# Altium PCB PCB2.PcbDoc (part 3 of 3) (continued)
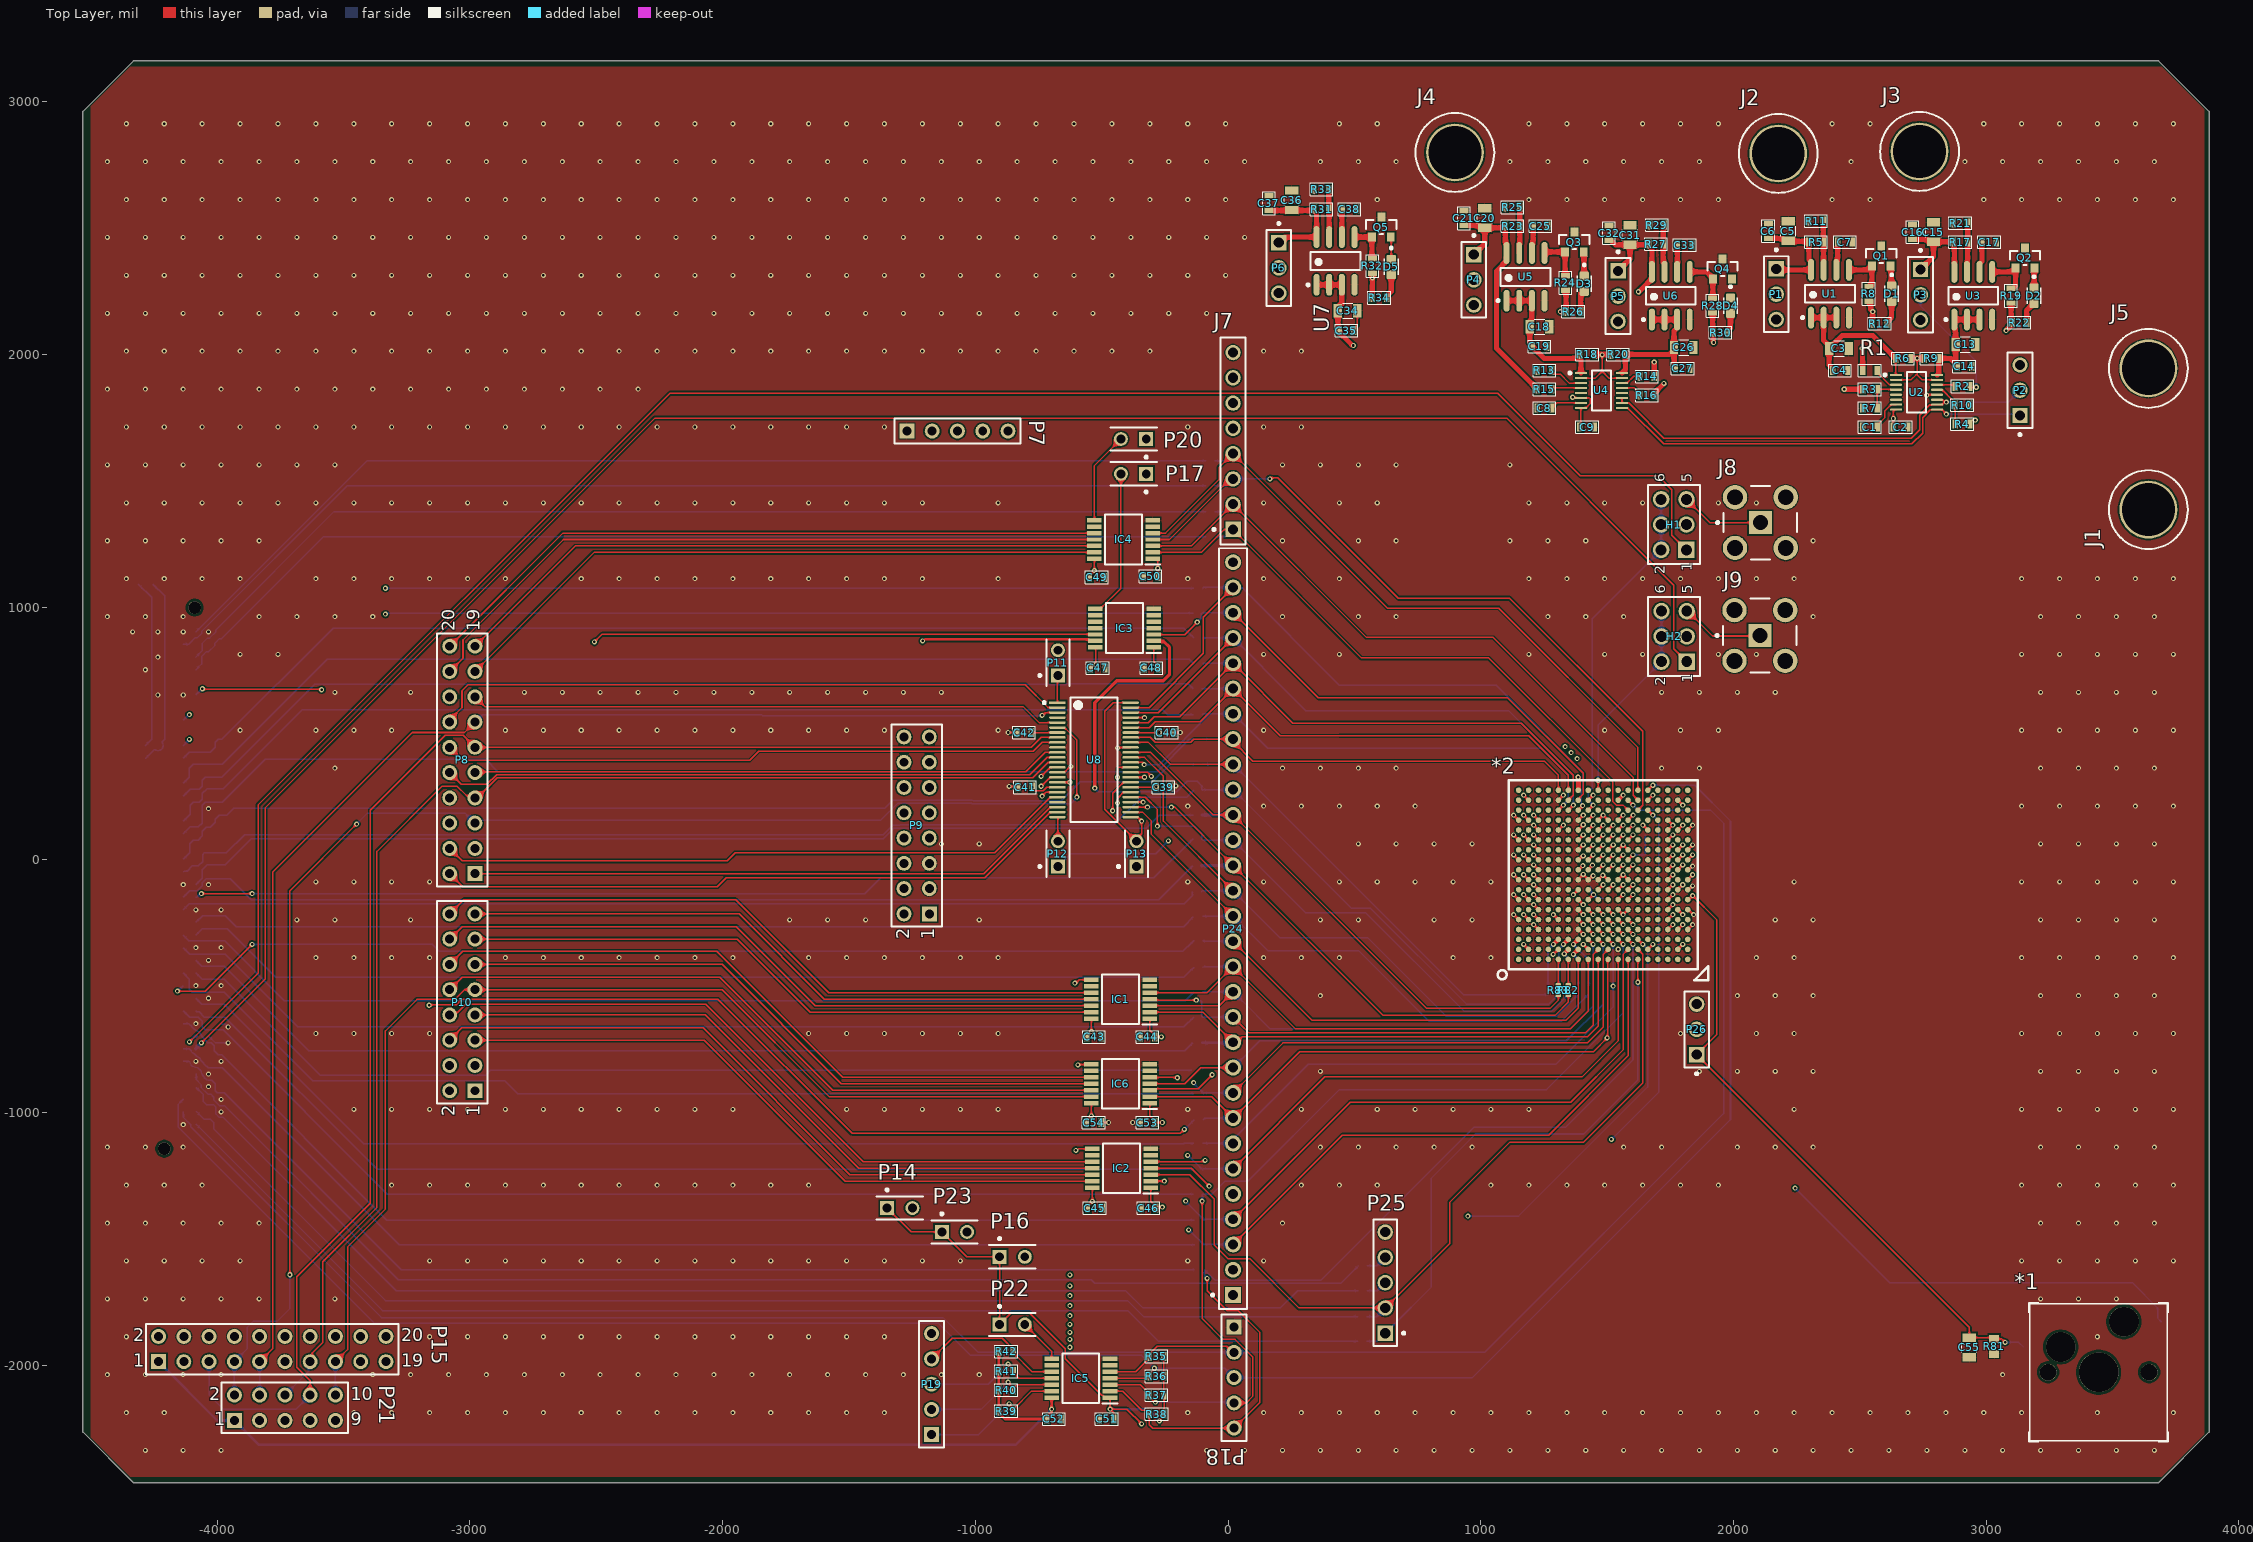
[diagram p0: Top Layer view]
## Nets (pads, with @x,y where several pads share a name; then routed paths per layer and width w, separated by ;. In a path a pad name is that pad's centre, name@x,y a point inside that pad or via, vN(x,y) a via of type N, cw(c..) or ccw(c..) an arc to the next point about the centre after c; other vN are vias at no path point) (continued)
NetQ1_1: Q1.1 R8.2 U1.5 | length 186.5
  Top Layer w20: U1.5@2456.89,2334.65 2533.46,2334.65 Q1.1@2547.24,2348.43 ; R8.2@2535.43,2268.9 2542.32,2268.9 2547.24,2273.82 Q1.1@2547.24,2348.43 ; Q1.1@2547.24,2350.39 Q1.1@2547.24,2348.43
NetQ2_1: Q2.1 R19.2 U3.5 | length 190.9
  Top Layer w20: U3.5@3023.82,2326.77 3102.36,2326.77 Q2.1@3116.14,2340.55 ; R19.2@3098.43,2261.02 3105.31,2261.02 3116.14,2271.85 Q2.1@3116.14,2340.55 ; Q2.1@3116.14,2342.52 Q2.1@3116.14,2340.55
NetQ3_1: Q3.1 R24.2 U5.5 | length 177.7
  Top Layer w20: U5.5@1252.17,2401.58 1252.17,2403.84 1253.84,2405.51 Q3.1@1332.68,2405.51 1333.66,2404.53 1333.66,2313.03 1334.49,2312.2 R24.2@1334.65,2312.2
NetQ4_1: Q4.1 R28.2 U6.5 | length 183.4
  Top Layer w20: U6.5@1826.97,2326.77 1893.7,2326.77 1919.29,2301.18 Q4.1@1919.29,2299.21 1918.31,2298.23 1918.31,2222.48 1917.48,2221.65 R28.2@1917.32,2221.65
NetQ5_1: Q5.1 R32.2 U7.5 | length 154.9
  Top Layer w6: R32.2@568.9,2381.1 R32.2@570.87,2379.13
  Top Layer w20: U7.5@500.2,2464.57 Q5.1@568.9,2464.57 R32.2@568.9,2381.1
NetR1_2: R1.2 U2.3 | length 102.9
  Top Layer w6: R1.2@2568.11,1937.01 2568.11,1930.12 2617.85,1880.37 2642.86,1880.37 U2.3@2643.31,1879.92
NetR2_2: R2.2 U2.14 | length 74.9
  Top Layer w6: U2.14@2805.51,1879.92 2872.05,1879.92 R2.2@2877.95,1874.02
NetR3_2: R3.2 R7.1 U2.4 | length 150.8
  Top Layer w6: R7.1@2568.11,1787.4 R3.2@2568.11,1862.2 2620.47,1862.2 2622.44,1860.24 U2.4@2643.31,1860.24
NetR4_2: R4.2 R10.1 U2.13 | length 177.2
  Top Layer w6: U2.13@2805.51,1860.24 2825.74,1860.24 2868.94,1817.03 2868.94,1807.04 R10.1@2876.77,1799.21 R4.2@2876.77,1724.41
NetR5_1: R5.1 R11.2 U1.7 | length 193.5
  Top Layer w20: R11.2@2355.51,2527.56 R5.1@2355.51,2444.88 2356.2,2444.19 2356.2,2335.33 U1.7@2356.89,2334.65
NetR13_2: R13.2 U4.3 | length 140.5
  Top Layer w6: R13.2@1280.71,1937.01 1280.71,1930.12 1288.54,1922.29 1314.13,1922.29 1349.5,1886.93 U4.3@1396.42,1886.93
NetR14_2: R14.2 U4.14 | length 81.1
  Top Layer w6: U4.14@1558.62,1886.93 1578.85,1886.93 1605.31,1913.39 R14.2@1628.74,1913.39
NetR15_2: R15.2 U4.4 | length 117.8
  Top Layer w6: R15.2@1280.71,1862.2 1285.75,1867.24 U4.4@1396.42,1867.24
NetR16_2: R16.2 U4.13 | length 86
  Top Layer w6: U4.13@1558.62,1867.24 1606.97,1867.24 1628.74,1845.47 R16.2@1628.74,1838.58
NetR17_1: R17.1 R21.2 U3.7 | length 194
  Top Layer w20: U3.7@2923.82,2326.77 2923.82,2359.25 2926.38,2361.81 R17.1@2926.38,2444.88 R21.2@2926.38,2519.69
NetR23_1: R23.1 R25.2 U5.7 | length 182.2
  Top Layer w20: U5.7@1152.17,2401.58 1152.17,2434.05 1154.72,2436.61 R23.1@1154.72,2507.87 R25.2@1154.72,2582.68
NetR27_1: R27.1 R29.2 U6.7 | length 188.9
  Top Layer w20: R29.2@1725.59,2511.81 1725.59,2504.92 1721.65,2500.98 R27.1@1721.65,2437.01 1721.65,2364.56 1726.97,2359.25 U6.7@1726.97,2326.77
NetR31_1: R31.1 R33.2 U7.7 | length 185
  Top Layer w20: R33.2@398.82,2649.61 399.38,2574.8 U7.7@400.2,2464.57
Reg_1V8: C15.2 C16.2 P3.1 R1.1 R17.2 U3.8 | length 902.6
  Top Layer w20: v2(2509.25,2023.62) 2510.63,2022.24 R1.1@2510.63,1937.01 ; C16.2@2708.66,2455.51 2771.65,2455.51 2781.5,2445.67 C15.2@2791.34,2445.67 ; P3.1@2740.16,2336.22 2791.34,2387.4 C15.2@2791.34,2445.67 ; U3.8@2873.82,2326.77 2873.82,2433.07 2861.22,2445.67 C15.2@2791.34,2445.67
  Power w20: v2@2511.29,2027.04 2677.17,2192.91 2677.17,2273.23 2719.65,2315.71 P3.1@2740.16,2336.22
Reg_1V8_IO: C36.2 C37.2 P6.1 R31.2 U7.8 | length 444.1
  Top Layer w6: P6.1@200.79,2442.52 P6.1@222.83,2464.57
  Top Layer w10: R31.2@336.22,2569.68 350.39,2555.51
  Top Layer w20: C37.2@161.42,2569.68 R31.2@336.22,2569.68 ; P6.1@222.83,2464.57 U7.8@350.2,2464.57 ; U7.8@350.39,2464.76 350.39,2555.51
Reg_3V3: C5.2 C6.2 P1.1 R3.1 R5.2 U1.8 | length 1198.5
  Top Layer w20: C6.2@2137.8,2459.45 2196.85,2459.45 2206.69,2449.61 C5.2@2216.54,2449.61 2218.9,2447.24 2297.2,2447.24 2298.03,2446.42 R5.2@2298.03,2444.88 2298.03,2375.98 2306.89,2367.12 U1.8@2306.89,2334.65 2173.23,2334.65 P1.1@2169.29,2338.58 ; v2(2438.39,1862.2) R3.1@2510.63,1862.2
  Power w20: P1.1@2169.29,2338.58 2098.43,2267.72 2098.43,2098.43 2334.65,1862.2 v2@2437.01,1862.2
Reg_V8_Core: C20.2 C21.2 P4.1 R15.1 R23.2 U5.8 | length 1025.7
  Top Layer w6: U5.8@1102.17,2370.08 U5.8@1102.17,2401.58 ; R15.1@1223.23,1862.2 R15.1@1223.23,1863.39
  Top Layer w20: C21.2@933.07,2510.63 996.06,2510.63 1005.91,2500.79 C20.2@1015.75,2500.79 ; P4.1@972.44,2395.28 1015.75,2438.58 C20.2@1015.75,2500.79 ; R23.2@1097.24,2507.87 R23.2@1097.24,2501.61 ; U5.8@1102.17,2370.08 1062.99,2330.91 1062.99,2023.62 1216.69,1869.92 1222.4,1869.92 1223.23,1869.09 R15.1@1223.23,1863.39 ; U5.8@1102.17,2401.58 1102.17,2434.05 1097.24,2438.97 R23.2@1097.24,2501.61 ; C20.2@1015.75,2500.79 1096.42,2500.79 R23.2@1097.24,2501.61
Reg_V8_DCO: C31.2 C32.2 P5.1 R16.1 R27.2 U6.8 | length 965.2
  Top Layer w6: U6.8@1676.97,2299.02 U6.8@1676.97,2326.77 ; R16.1@1686.22,1838.58 R16.1@1686.22,1845.47 ; v2@1724.41,1883.66 v2(1724.41,1885.83)
  Top Layer w20: C32.2@1507.87,2451.57 1508.7,2450.75 1515.59,2450.75 1532.48,2433.86 C31.2@1590.55,2433.86 ; P5.1@1543.31,2330.71 1590.55,2377.95 C31.2@1590.55,2433.86 ; v2@1625.98,2248.03 U6.8@1676.97,2299.02 ; U6.8@1676.97,2326.77 1676.97,2417.32 1664.17,2430.12 1664.17,2433.03 1663.35,2433.86 C31.2@1590.55,2433.86 ; R16.1@1686.22,1845.47 v2@1724.41,1883.66
  Misc w20: v2(1623.43,2248.03) 1623.43,2069.49 1724.41,1968.5 v2(1724.41,1885.83)
SPI_0_CS: *2.279 IC6.4 P24.10 R55.1 | length 2312.4
  Top Layer w5: IC6.4@-309.53,-885.83 -171.51,-885.83 -107.73,-822.05 P24.10@19.68,-822.05
  Top Layer w6: *2.279@1464.57,-314.96 v2(1484.25,-334.65)
  Bottom Layer w5: R55.1@-102.36,-826.77 -97.64,-822.05 P24.10@19.68,-822.05 125.2,-716.54 1338.77,-716.54 1484.25,-571.06 1484.25,-452.76
  Bottom Layer w6: 1484.25,-452.76 v2(1484.25,-334.65)
SPI_0_CS_3V3: IC6.11 P10.11 | length 2635
  Top Layer w5: P10.11@-2980.32,-413.72 -2002.6,-413.72 -1530.49,-885.83 IC6.11@-540.87,-885.83
SPI_0_DQ_0_3V3: IC1.13 P10.13 | length 2559
  Top Layer w5: P10.13@-2980.32,-313.72 -1942.18,-313.72 -1653.54,-602.36 IC1.13@-540.87,-602.36
SPI_0_DQ_0_DUT: *2.315 IC1.2 P24.11 R56.1 | length 2233.9
  Top Layer w6: IC1.2@-309.53,-602.36 -100,-602.36 P24.11@19.68,-722.05 33.83,-722.05 55.39,-700.48 1421.56,-700.48 1464.57,-657.48 *2.315@1464.57,-393.7
  Bottom Layer w10: R56.1@-102.36,-724.41 P24.11@17.32,-724.41
SPI_0_DQ_1_3V3: IC1.12 P10.14 | length 2689.8
  Top Layer w5: P10.14@-3080.32,-313.72 -3030.37,-263.78 -1946.67,-263.78 -1633.67,-576.77 IC1.12@-540.87,-576.77
SPI_0_DQ_1_DUT: *2.278 IC1.3 P24.13 R58.1 | length 2268.2
  Top Layer w5: IC1.3@-309.53,-576.77 -35.04,-576.77 P24.13@19.68,-522.05
  Top Layer w6: *2.278@1425.2,-314.96 v2(1444.88,-334.65)
  Bottom Layer w5: R58.1@-100.39,-523.62 -98.82,-522.05 P24.13@19.68,-522.05 56.69,-559.06
  Bottom Layer w6: 56.69,-559.06 166.93,-669.29 1354.33,-669.29 1444.88,-578.74 v2(1444.88,-334.65)
SPI_0_DQ_2_3V3: IC1.11 P10.15 | length 2579.2
  Top Layer w5: P10.15@-2980.32,-213.72 -1935.27,-213.72 -1597.82,-551.18 IC1.11@-540.87,-551.18
SPI_0_DQ_2_DUT: *2.297 IC1.4 P24.12 R57.1 | length 2162.9
  Top Layer w5: IC1.4@-309.53,-551.18 -305.59,-555.12 v2(-125.98,-555.12) ; P24.12@19.68,-622.05 50,-652.36
  Top Layer w6: 50,-652.36 82.68,-685.04 1413.39,-685.04 1444.88,-653.54 1444.88,-374.02 *2.297@1464.57,-354.33
  Bottom Layer w5: v2(-125.98,-555.12) -123.11,-557.99 -108.71,-557.99 -104.33,-562.37 -104.33,-618.11 -100.39,-622.05 P24.12@19.68,-622.05
SPI_0_DQ_3_3V3: IC1.10 P10.16 | length 2715.2
  Top Layer w5: P10.16@-3080.32,-213.72 -3024.07,-157.48 -1948.82,-157.48 -1580.71,-525.59 IC1.10@-540.87,-525.59
SPI_0_DQ_3_DUT: *2.314 IC1.5 P24.14 R59.1 | length 2235.5
  Top Layer w6: IC1.5@-309.53,-525.59 -83.86,-525.59 P24.14@19.68,-422.05 266.93,-669.29 1354.33,-669.29 1425.2,-598.42 *2.314@1425.2,-393.7
  Bottom Layer w5: R59.1@-100.39,-425.2 -97.24,-422.05 P24.14@19.68,-422.05
SPI_0_SCK: *2.313 IC6.3 P24.15 R53.1 | length 2666.8
  Top Layer w5: IC6.3@-309.53,-911.42 -303.17,-905.06 -117.66,-905.06 v2(-62.99,-850.39)
  Top Layer w6: P24.15@19.68,-322.05 331.5,-633.86 1338.58,-633.86 1385.83,-586.61 *2.313@1385.83,-393.7
  Misc w5: v2(-62.99,-850.39) -62.99,-629.47 -66.93,-625.53 -66.93,-408.66 P24.15@19.68,-322.05
  Bottom Layer w5: R53.1@-100.39,-318.9 -97.24,-322.05 P24.15@19.68,-322.05
SPI_0_SCK__3V3: IC6.12 P10.10 | length 2744.9
  Top Layer w5: P10.10@-3080.32,-513.72 -3031.16,-464.57 -2011.02,-464.57 -1564.17,-911.42 IC6.12@-540.87,-911.42
SPI_1_CS: *2.31 IC4.3 J7.2 R78.1 | length 2600
  Top Layer w6: IC4.3@-297.72,1242.13 -145.67,1242.13 J7.2@19.68,1407.48 547.22,879.94 1049.19,879.94 1603.02,326.11 1603.02,255.24 *2.31@1622.05,236.22
  Bottom Layer w6: R78.1@-53.15,1377.95 -9.84,1377.95 J7.2@19.68,1407.48
SPI_1_CS_3V3: IC4.12 P8.19 | length 2615.6
  Top Layer w6: P8.19@-2980.32,845.28 -2583.47,1242.13 IC4.12@-529.06,1242.13
SPI_1_MISO: *2.13 IC4.5 J7.4 R80.1 | length 2813.2
  Top Layer w6: IC4.5@-297.72,1293.31 -247.19,1293.31 -35.43,1505.06 -35.43,1552.36 J7.4@19.68,1607.48 631.1,996.06 1070.86,996.06 1622.05,444.88 *2.13@1622.05,275.59
  Bottom Layer w6: R80.1@-53.15,1578.74 -9.06,1578.74 J7.4@19.68,1607.48
SPI_1_MISO_3V3: IC4.10 P8.20 | length 2736.8
  Top Layer w6: P8.20@-3080.32,845.28 -2632.28,1293.31 IC4.10@-529.06,1293.31
SPI_1_MOSI: *2.49 IC4.4 J7.3 R79.2 | length 2874.3
  Top Layer w6: IC4.4@-297.72,1267.72 -232.28,1267.72 -0.48,1499.52 11.72,1499.52 J7.3@19.68,1507.48 ; v2(165.35,1507.87) 165.35,1508.3 168.87,1511.81 196.85,1511.81 673.23,1035.43 1114.17,1035.43 1641.07,508.54 1641.07,215.87 *2.49@1622.05,196.85
  Misc w6: J7.3@19.68,1507.48 J7.3@34.57,1507.48
  Bottom Layer w6: R79.2@-53.15,1480.32 -9.03,1480.32 18.14,1507.48 J7.3@19.68,1507.48 19.88,1507.68 165.16,1507.68 v2(165.35,1507.87)
SPI_1_MOSI_3V3: IC4.11 P8.18 | length 2818.9
  Top Layer w6: P8.18@-3080.32,754.33 P8.18@-3080.32,745.28 -3027.56,798.03 -3027.56,870.08 -2629.92,1267.72 IC4.11@-529.06,1267.72
SPI_1_SCK: *2.48 IC4.2 J7.1 R77.1 | length 2502.4
  Top Layer w6: IC4.2@-297.72,1216.54 -106.3,1216.54 -16.31,1306.52 18.73,1306.52 J7.1@19.68,1307.48 527.95,799.21 1031.5,799.21 1522.96,307.75 1522.96,229.66 1536.09,216.54 1562.99,216.54 *2.48@1582.68,196.85
  Bottom Layer w6: R77.1@-47.24,1279.53 -8.27,1279.53 J7.1@19.68,1307.48
SPI_1_SCK__3V3: IC4.13 P8.17 | length 2649.7
  Top Layer w6: P8.17@-2980.32,745.28 -2509.06,1216.54 IC4.13@-529.74,1216.54 ; IC4.13@-529.8,1216.6 IC4.13@-529.74,1216.54 ; IC4.13@-529.06,1216.54 IC4.13@-529.74,1216.54 ; IC4.13@-527.5,1214.29 IC4.13@-529.74,1216.54
TL_CLK: P24.16 R60.1 R86.2 U8.26 | length 2349
  Top Layer w6: U8.26@-385.83,188.98 -384.39,187.54 -337.14,187.54 -303.15,153.54 -303.15,100.79 P24.16@19.68,-222.05
  Bottom Layer w6: R60.1@-101.18,-223.23 18.5,-223.23 P24.16@19.68,-222.05 156.69,-359.06 515.75,-359.06 794.49,-637.8 1319.88,-637.8 1424.21,-533.46 R86.2@1425.2,-533.46
TL_CLK_3V3: P8.2 U8.23 | length 2548.8
  Top Layer w5: P8.2@-3080.32,-54.72 -3028.74,-106.3 -2021.33,-106.3 -1985.9,-70.87 -962.69,-70.87 -702.84,188.98 U8.23@-675.23,188.98
TL_IN_BITS_0_3V3: P8.10 U8.12 | length 2468.2
  Top Layer w5: P8.10@-3080.32,345.28 -3034.25,299.21 -2932.88,299.21 -2894.84,337.25 -784.8,337.25 -716.54,405.51 U8.12@-675.23,405.51
TL_IN_BITS_0_DUT: P24.17 R61.1 R84.2 U8.37 | length 2460.4
  Top Layer w6: U8.37@-385.83,405.51 -330.71,405.51 -255.91,330.71 -255.91,153.54 P24.17@19.68,-122.05
  Bottom Layer w6: R61.1@-104.33,-125.98 -104.33,-125.48 -100.9,-122.05 P24.17@19.68,-122.05 206.69,-309.06 553.15,-309.06 862.2,-618.11 1300.2,-618.11 1384.84,-533.46 R84.2@1385.83,-533.46
TL_IN_RDY: P24.19 R63.1 R85.2 U8.29 | length 2161.1
  Top Layer w6: U8.29@-385.83,248.03 -327.99,248.03 -279.53,199.57 v2(-279.53,133.86)
  Bottom Layer w6: v2(-279.53,133.86) -133.86,133.86 -103.9,103.9 -103.9,81.26 R63.1@-100.9,78.26 ; R63.1@-100.59,77.95 P24.19@19.68,77.95 306.69,-209.06 543.7,-209.06 933.07,-598.43 1280.51,-598.43 1345.47,-533.46 R85.2@1346.46,-533.46
TL_IN_RDY_3V3: P8.4 U8.20 | length 2529.8
  Top Layer w5: P8.4@-3080.32,45.28 -3031.1,-3.94 -1981.99,-3.94 -1950.5,27.56 -923.32,27.56 -702.84,248.03 U8.20@-675.23,248.03
TL_IN_VAL: P24.20 R64.1 R83.2 U8.38 | length 2269.1
  Top Layer w6: U8.38@-385.83,425.2 -305.94,425.2 -58.7,177.95 P24.20@19.68,177.95 784.25,-586.61 1275.59,-586.61 1307.09,-555.12 R83.2@1307.09,-533.46
  Bottom Layer w12.82: R64.1@-102.36,177.17 -101.97,177.56 19.29,177.56 P24.20@19.68,177.95
TL_IN_VAL_3V3: P8.9 U8.11 | length 2338.2
  Top Layer w5: P8.9@-2980.32,345.28 -2977.34,348.25 -801.36,348.25 -724.41,425.2 U8.11@-675.23,425.2
TL_OUT_BITS_0_3V3: P8.1 U8.22 | length 2414.2
  Top Layer w5: P8.1@-2980.32,-54.72 -966.23,-54.72 -702.84,208.66 U8.22@-675.23,208.66
TL_OUT_BITS_0_DUT: P24.18 R62.1 R82.2 U8.27 | length 2248.5
  Top Layer w6: U8.27@-385.83,208.66 v2(-318.9,208.66) ; v2(-224.41,208.66) -211.02,208.66 P24.18@19.68,-22.05 611.81,-614.17 1295.28,-614.17 1346.46,-562.99 R82.2@1346.46,-533.46
  Bottom Layer w6: v2(-318.9,208.66) v2(-224.41,208.66)
  Bottom Layer w12.82: R62.1@-104.33,-23.62 -103.54,-22.83 18.9,-22.83 P24.18@19.68,-22.05
TL_OUT_RDY: P24.22 R66.1 R88.2 U8.40 | length 2187
  Top Layer w6: U8.40@-385.83,464.57 -314.96,464.57 -228.35,377.95 P24.22@19.68,377.95
  Bottom Layer w6: R66.1@-100.39,377.95 R66.1@-92.52,377.95 P24.22@19.68,377.95 931.1,-533.46 R88.2@1267.72,-533.46
TL_OUT_RDY_3V3: P8.12 U8.9 | length 2455.8
  Top Layer w5: P8.12@-3080.32,445.28 -3028.74,393.7 -1893.1,393.7 -1857.06,429.74 -771.05,429.74 -736.22,464.57 U8.9@-675.23,464.57
TL_OUT_VAL: IC3.2 P24.21 R65.1 R87.2 | length 3109.2
  Top Layer w12.82: v2(-527.56,283.46) -527.56,622.05 -440.94,708.66 -255.91,708.66 -232.28,732.28 -232.28,842.52 -253.46,863.69 -291.33,863.69 IC3.2@-293.78,866.14
  Bottom Layer w6: v2(-527.56,283.46) -513.53,269.44 -203,269.44 -161.42,311.02 -122.05,311.02 -103.83,292.8 -103.83,279.03 R65.1@-100.39,275.59 ; R65.1@-100.59,276.77 18.5,276.77 P24.21@19.68,277.95 488.88,-191.24 563.68,-191.24 943.31,-570.87 1268.7,-570.87 1306.1,-533.46 R87.2@1307.09,-533.46
TL_OUT_VAL_3V3: IC3.13 P8.3 | length 2866
  Top Layer w10: v2(-1208.66,866.14) -1205.96,866.14 -1199.22,872.87 -552.03,872.87 -545.3,866.14 IC3.13@-525.12,866.14
  Misc w5: P8.3@-2980.32,45.28 -2080.71,944.88 -1287.4,944.88 v2(-1208.66,866.14)
UART_RX: *2.43 P24.29 R73.1 U8.47 | length 2661.1
  Top Layer w5: U8.47@-385.83,602.36 -312.9,602.36 -98.12,817.14 -98.12,960.15 P24.29@19.68,1077.95
  Top Layer w6: *2.43@1385.83,196.85 v2(1403.2,214.22)
  Bottom Layer w5: R73.1@-98.12,1072.52 R73.1@-100.39,1074.8 -97.24,1077.95 P24.29@19.68,1077.95 21.7,1075.94 55.75,1075.94 440.75,690.94
  Bottom Layer w6: 440.75,690.94 1061.02,690.94 1403.83,348.14 1403.83,282.69 1397.07,275.94 1397.07,224.13 1403.2,218.01 v2(1403.2,214.22)
UART_RX_3V3: P8.14 U8.2 | length 2567.1
  Top Layer w6: P8.14@-3098.11,535.75 -3085.83,542.32 -3086.2,542.69 -3086.2,547.66 -3031.5,602.36 -3031.5,669.29 -3007.87,692.91 ; -3007.87,692.57 -802.8,692.57 -712.6,602.36 U8.2@-675.23,602.36
UART_TX: *2.25 IC3.3 P24.28 R72.1 | length 2120.3
  Top Layer w5: IC3.3@-293.78,891.73 -171.26,891.73 v2(-122.05,940.94) ; P24.28@19.68,977.95 356.69,640.94 515.75,640.94
  Top Layer w6: 515.75,640.94 1107.09,640.94 1405.51,342.52 1405.51,260.25 1385.83,240.56 *2.25@1385.83,236.22
  Bottom Layer w5: v2(-122.05,940.94) -106.3,956.69 R72.1@-106.3,976.38 ; R72.1@-102.36,976.38 -100.79,977.95 P24.28@19.68,977.95
UART_TX_3V3: IC3.12 P8.16 | length 2658.1
  Top Layer w6: v2(-2507.87,862.2) -2477.36,892.72 -526.1,892.72 IC3.12@-525.12,891.73
  Misc w6: P8.16@-3080.32,645.28 -3020.16,705.43 -2664.65,705.43 v2(-2507.87,862.2)
VDD_1V8_Shunt-: C13.2 C14.2 R9.1 U2.16 U3.1 U3.2 U3.3 | length 432.1
  Top Layer w20: U2.16@2805.51,1919.29 2806.39,1919.29 2812.2,1925.11 R9.1@2812.2,1984.25 2860.04,1984.25 C14.2@2878.74,1965.55 ; C14.2@2884.65,1952.76 2884.65,1959.65 C14.2@2878.74,1965.55 ; U3.3@2973.82,2137.8 U3.2@2923.82,2137.8 U3.1@2873.82,2137.8 2873.82,2105.32 2878.74,2100.4 C13.2@2878.74,2039.37 C14.2@2878.74,1965.55
VDD_3V3_Shunt-: C3.2 C4.2 R6.1 U1.1 U1.2 U1.3 U2.1 | length 711
  Top Layer w6: R6.1@2641.73,1984.25 2641.73,1920.47 2642.91,1919.29 U2.1@2643.31,1919.29
  Top Layer w20: U1.1@2306.89,2145.67 U1.2@2356.89,2145.67 ; C4.2@2392.52,1937.01 2392.52,1943.9 2378.74,1957.68 C3.2@2378.74,2023.62 ; U1.3@2406.89,2145.67 U1.2@2356.89,2145.67 ; R6.1@2641.73,1984.25 2551.18,2074.8 2429.92,2074.8 C3.2@2378.74,2023.62 ; U1.2@2356.89,2145.67 2356.89,2055.32 2378.74,2033.46 C3.2@2378.74,2023.62
VDD_BATT: *2.79 *2.80 *2.81 *2.82 *2.83 *2.84 *2.97 *2.98 *2.99 *2.100 *2.101 *2.102 *2.133 *2.134 *2.151 *2.153 *2.154 *2.156 *2.187 *2.192 *2.205 *2.206 *2.209 *2.210 *2.241 *2.242 *2.243 *2.244 *2.245 *2.246 C22.1 C23.1 C24.1 P4.2 | length 915.6
  Top Layer w6: v2(1366.14,-137.8) *2.187@1385.83,-118.11 ; *2.241@1385.83,-236.22 v2(1405.51,-255.91) ; *2.205@1385.83,-157.48 v2(1405.51,-177.17) ; *2.151@1385.83,-39.37 1386.52,-39.37 1403.4,-22.49 v2(1404.1,-22.49) ; *2.133@1385.83,0 1401.57,15.75 v2(1405.51,15.75) ; *2.97@1385.83,78.74 v2(1405.51,98.43) ; *2.79@1385.83,118.11 1385.83,118.7 1405.51,138.38 v2(1405.51,138.97) ; *2.242@1425.2,-236.22 v2(1444.88,-255.91) ; *2.206@1425.2,-157.48 1425.78,-157.48 1445.47,-137.8 v2(1446.05,-137.8) ; *2.134@1425.2,0 v2(1444.88,19.69) ; *2.98@1425.2,78.74 v2(1444.88,98.43) ; *2.80@1425.2,118.11 v2(1444.88,137.8) ; *2.243@1464.57,-236.22 v2(1484.25,-255.91) ; *2.153@1464.57,-39.37 v2(1484.25,-19.68) ; *2.99@1464.57,78.74 v2(1484.25,98.43) ; *2.81@1464.57,118.11 v2(1484.25,137.8) ; *2.244@1503.94,-236.22 v2(1523.62,-255.91) ; *2.154@1503.94,-39.37 v2(1523.62,-19.68) ; *2.100@1503.94,78.74 v2(1523.62,98.43) ; *2.82@1503.94,118.11 v2(1523.62,137.8) ; *2.245@1543.31,-236.22 1543.31,-240.16 1547.24,-240.16 v2(1562.99,-255.91) ; *2.209@1543.31,-157.48 v2(1562.99,-137.8) ; *2.101@1543.31,78.74 v2(1562.99,98.43) ; *2.83@1543.31,118.11 v2(1562.99,137.8) ; *2.246@1582.68,-236.22 v2(1602.36,-255.91) ; *2.210@1582.68,-157.48 v2(1602.36,-137.8) ; *2.192@1582.68,-118.11 v2(1602.36,-98.43) ; *2.156@1582.68,-39.37 v2(1602.36,-19.68) ; *2.102@1582.68,78.74 v2(1602.36,98.43) ; *2.84@1582.68,118.11 v2(1602.36,137.8)
  Bottom Layer w6: C23.1@1435.04,-106.3 1435.04,-126.13 1446.05,-137.14 v2(1446.05,-137.8) 1459.83,-151.57 C22.1@1484.25,-151.57
VDD_CORE: R13.1 | length 6.9
  Top Layer w6: R13.1@1223.23,1930.12 R13.1@1223.23,1937.01
VDD_DCO: *2.7 C28.1 C29.1 C30.1 P5.2 R14.1 | length 2521.4
  Top Layer w6: R14.1@1686.22,1913.39 R14.1@1686.42,1913.58
  Top Layer w20: v2(1384.83,326.77) 1385.83,325.77 *2.7@1385.83,275.59 ; v2(1686.34,1969.8) 1686.34,1913.66 R14.1@1686.42,1913.58
  Power w20: v2(1384.83,326.77) 1384.83,397.22 v2(1357.56,424.49) v2(1333.94,448.11) 1311.02,471.03 1311.02,1998.43 1336.63,2024.03 ; P5.2@1543.31,2230.71 1336.63,2024.03 ; v2(1686.34,1969.8) 1632.11,2024.03 1336.63,2024.03
  Bottom Layer w6: P5.2@1543.31,2220.32 P5.2@1543.31,2230.71
  other v2: 1381.18,400.87
VDD_V8_Core_Shunt-: C18.2 C19.2 R18.1 U4.1 U5.1 U5.2 U5.3 | length 557
  Top Layer w20: U5.1@1102.17,2212.6 U5.2@1152.17,2212.6 U5.3@1202.17,2212.6 1202.17,2128.54 1193.7,2120.08 C18.2@1193.7,2110.24 1193.7,2048.23 1203.54,2038.39 C19.2@1203.54,2031.5 1250.79,1984.25 1392.83,1984.25 1396.42,1980.66 U4.1@1396.42,1926.3
VDD_V8_DCO_Shunt-: C26.2 C27.2 R20.1 U4.16 U6.1 U6.2 U6.3 | length 579.6
  Top Layer w20: U4.16@1558.62,1926.3 1572.05,1939.73 R20.1@1572.05,2000 1746.85,2000 C26.2@1764.57,2017.72 ; U6.1@1676.97,2137.8 U6.2@1726.97,2137.8 U6.3@1776.97,2137.8 1776.97,2105.32 1764.57,2092.92 C26.2@1764.57,2027.56 C26.2@1764.57,2017.72 ; C27.2@1770.47,1944.88 1770.47,1951.77 1764.57,1957.68 C26.2@1764.57,2017.72
pads on no net: *1.3 *1.4 *1.5 *1.6 *1.Un1 *1.Un2 *1.Un3 *1.Un4 *1.Un5 *2.1 *2.2 *2.3 *2.4 *2.8 *2.10 *2.11 *2.12 *2.15 *2.16 *2.17 *2.18 *2.19 *2.21 *2.22 *2.27 *2.28 *2.33 *2.34 *2.36 *2.37 *2.38 *2.39 *2.40 *2.45 *2.46 *2.47 *2.51 *2.52 *2.53 *2.54 *2.58 *2.59 *2.60 *2.67 *2.68 *2.69 *2.71 *2.72 *2.73 *2.74 *2.76 *2.78 *2.85 *2.87 *2.94 *2.95 *2.96 *2.103 *2.104 *2.105 *2.107 *2.108 *2.109 *2.110 *2.112 *2.113 *2.114 *2.121 *2.122 *2.123 *2.130 *2.132 *2.139 *2.141 *2.145 *2.146 *2.148 *2.149 *2.150 *2.157 *2.158 *2.159 *2.166 *2.167 *2.168 *2.175 *2.176 *2.177 *2.179 *2.181 *2.182 *2.184 *2.186 *2.188 *2.193 *2.195 *2.202 *2.203 *2.204 *2.207 *2.208 *2.211 *2.212 *2.213 *2.215 *2.217 *2.218 *2.220 *2.221 *2.222 *2.229 *2.230 *2.231 *2.238 *2.240 *2.247 *2.249 *2.251 *2.252 *2.253 *2.254 *2.256 *2.257 *2.258 *2.265 *2.266 *2.267 *2.271 *2.272 *2.273 *2.274 *2.284 *2.285 *2.286 *2.287 *2.288 *2.289 *2.291 *2.292 *2.303 *2.304 *2.306 *2.307 *2.308 *2.309 *2.310 *2.320 *2.321 *2.322 *2.323 *2.324 D4.C H1.3 H2.3 IC1.6 IC1.9 IC2.6 IC2.9 IC3.4 IC3.5 IC3.6 IC3.9 IC3.10 IC3.11 IC4.6 IC4.9 IC5.6 IC5.9 IC6.6 IC6.9 J6. J6.C39 J6.D32 J6.D35 J6.D36 J6.D38 J6.D40 J6.E39 J6.F1 J6.F40 J6.G34 J6.H22 J6.H23 J6.H25 J6.H26 J6.H28 J6.H29 J6.H31 J6.H32 J6.H34 J7.5 J7.6 J7.7 P8.6 P9.1 P9.2 P9.4 P9.6 P9.7 P9.8 P9.9 P9.10 P9.11 P9.12 P9.13 P9.14 P9.15 P9.16 P10.1 P10.2 P10.3 P10.4 P15.2 P15.3 P15.17 P15.19 P24.2 P24.5 Q4.2

## Polygon pours and split planes (outlines as drawn)
GND on GND2 "GND_L05_P015" (solid, pour order 15): -4507.87,3137.8 -4500,3129.92 -4500,-2440.94 3858.27,-2440.94 3862.2,-2437.01 3862.2,3137.8
Ext_VDD on GND2 "EXT_VDD_L05_P002" (solid, pour order 2): 1425.2,2535.43 1421.26,2531.5 433.07,2531.5 433.07,1929.13 562.99,1929.13 562.99,2200.79 783.46,2421.26 1311.02,2421.26 1311.02,1582.68 2413.39,1582.68 2425.2,1594.49 2842.52,1177.17 3783.46,1177.17 3795.28,1165.35 3803.15,2535.43
VDD_BATT on GND2 "VDD_BATT_L05_P004" (solid, pour order 4): 1346.46,-275.59 712.6,358.27 712.6,2271.65 1082.68,2271.65 1082.68,421.26 1346.46,157.48 1681.1,157.48 1677.17,-275.59
1V8_DUT on Power "1V8_DUT_L04_P013" (solid, pour order 13): 1854.33,311.02 2625.98,1082.68 2625.98,2370.08 2657.48,2401.57 2952.76,2401.57 2984.25,2370.08 2984.25,700.79 1850.39,-433.07 1110.24,-433.07 1110.24,311.02 1106.3,314.96
Ext_3V3 on Power "EXT_3V3_L04_P006" (solid, pour order 6): 2334.65,2952.76 2338.58,2948.82 2338.58,2090.55 2019.68,2090.55 2019.68,2952.76
1V8_IO on Power "1V8_IO_L04_P008" (solid, pour order 8): 133.86,2149.61 267.72,2149.61 267.72,2393.7 173.23,2393.7 -377.95,1842.52 -377.95,-2358.27 -181.1,-2358.27 -181.1,1834.65
3V3 on Power "3V3_L04_P010" (solid, pour order 10): -822.83,-2354.33 -822.83,1826.77 -413.39,1826.77 -413.39,-2354.33
3V3 on Misc "3V3_L03_P011" (solid, pour order 11): 633.86,-1330.71 342.52,-1622.05 -673.23,-1622.05 -673.23,-2051.18 2972.44,-2051.18 3094.49,-1929.13 3094.49,2177.17 2889.76,2381.89 311.02,2417.46 311.02,1720.47 2362.2,1720.47 2362.2,-1330.71
Ext_1V8 on Misc "EXT_1V8_L03_P009" (solid, pour order 9): 2893.7,2960.63 2712.6,3141.73 318.9,3141.73 106.3,2929.13 106.3,2157.48 263.78,2157.48 287.4,2181.1 287.4,2818.9 291.34,2818.9 433.07,2960.63 2578.74,2960.63 2578.74,2086.61 2889.76,2086.61 2893.7,2082.68 2893.7,2409.45
Ext_V8 on Misc "EXT_V8_L03_P007" (solid, pour order 7): 1055.12,2956.69 1055.12,2082.68 736.22,2082.68 736.22,2956.69
GND on GND1 "GND_L02_P000" (solid, pour order 0): -4511.81,3137.8 -4503.94,3129.92 -4503.94,-2440.94 3854.33,-2440.94 3858.27,-2437.01 3858.27,3137.8
GND on Top Layer "GND_L01_P001" (solid, pour order 1): -4507.87,3137.8 -4500,3129.92 -4500,-2440.94 3858.27,-2440.94 3862.2,-2437.01 3862.2,3137.8
GND on Bottom Layer "GND_L06_P003" (solid, pour order 3): -4507.87,3137.8 -4500,3129.92 -4500,-2440.94 3858.27,-2440.94 3862.2,-2437.01 3862.2,3137.8

## Silkscreen, mask and mechanical layers (free items; w line width, h text height)
Mechanical 1:
  lines w10: -4531.5,-2264.57 -4331.5,-2464.57 3681.89,-2464.57 3881.89,-2264.57 3881.89,2961.42 3681.89,3161.42 -4331.5,3161.42 -4531.5,2961.42 -4531.5,-2264.57 ; -3880.32,-1204.72 -3880.32,3095.28 -480.32,3095.28 -480.32,-1204.72 -3880.32,-1204.72

## Text inside footprints (layer, text, board x,y; h text height)
*1: Mechanical 5 "%R" at 3435.33,-1864.1 h39.37; Mechanical 5 "%V" at 3434.6,-2064.1 h39.37
H1: Top Overlay "6" at 1728.35,1494.88 h40 r90; Top Overlay "5" at 1834.65,1494.88 h40 r90; Top Overlay "2" at 1728.35,1131.1 h40 r90; Top Overlay "1" at 1834.65,1142.91 h40 r90
H2: Top Overlay "1" at 1835.83,700.39 h40 r90; Top Overlay "2" at 1729.53,688.58 h40 r90; Top Overlay "5" at 1835.83,1052.36 h40 r90; Top Overlay "6" at 1729.53,1052.36 h40 r90
P8: Top Overlay "19" at -2960.32,905.28 h50 r90; Top Overlay "20" at -3060.32,905.28 h50 r90
P9: Top Overlay "2" at -1262.32,-313.72 h50 r90; Top Overlay "1" at -1162.32,-313.72 h50 r90
P10: Top Overlay "2" at -3060.32,-1013.72 h50 r90; Top Overlay "1" at -2960.32,-1013.72 h50 r90
P15: Top Overlay "2" at -4332.28,-1905.83 h50; Top Overlay "1" at -4332.28,-2005.83 h50; Top Overlay "19" at -3272.28,-2005.83 h50; Top Overlay "20" at -3272.28,-1905.83 h50
P21: Top Overlay "2" at -4032.28,-2138.11 h50; Top Overlay "1" at -4012.28,-2238.11 h50; Top Overlay "9" at -3472.28,-2238.11 h50; Top Overlay "10" at -3472.28,-2138.11 h50